# KiCad board m-blanc.kicad_pcb (continued)
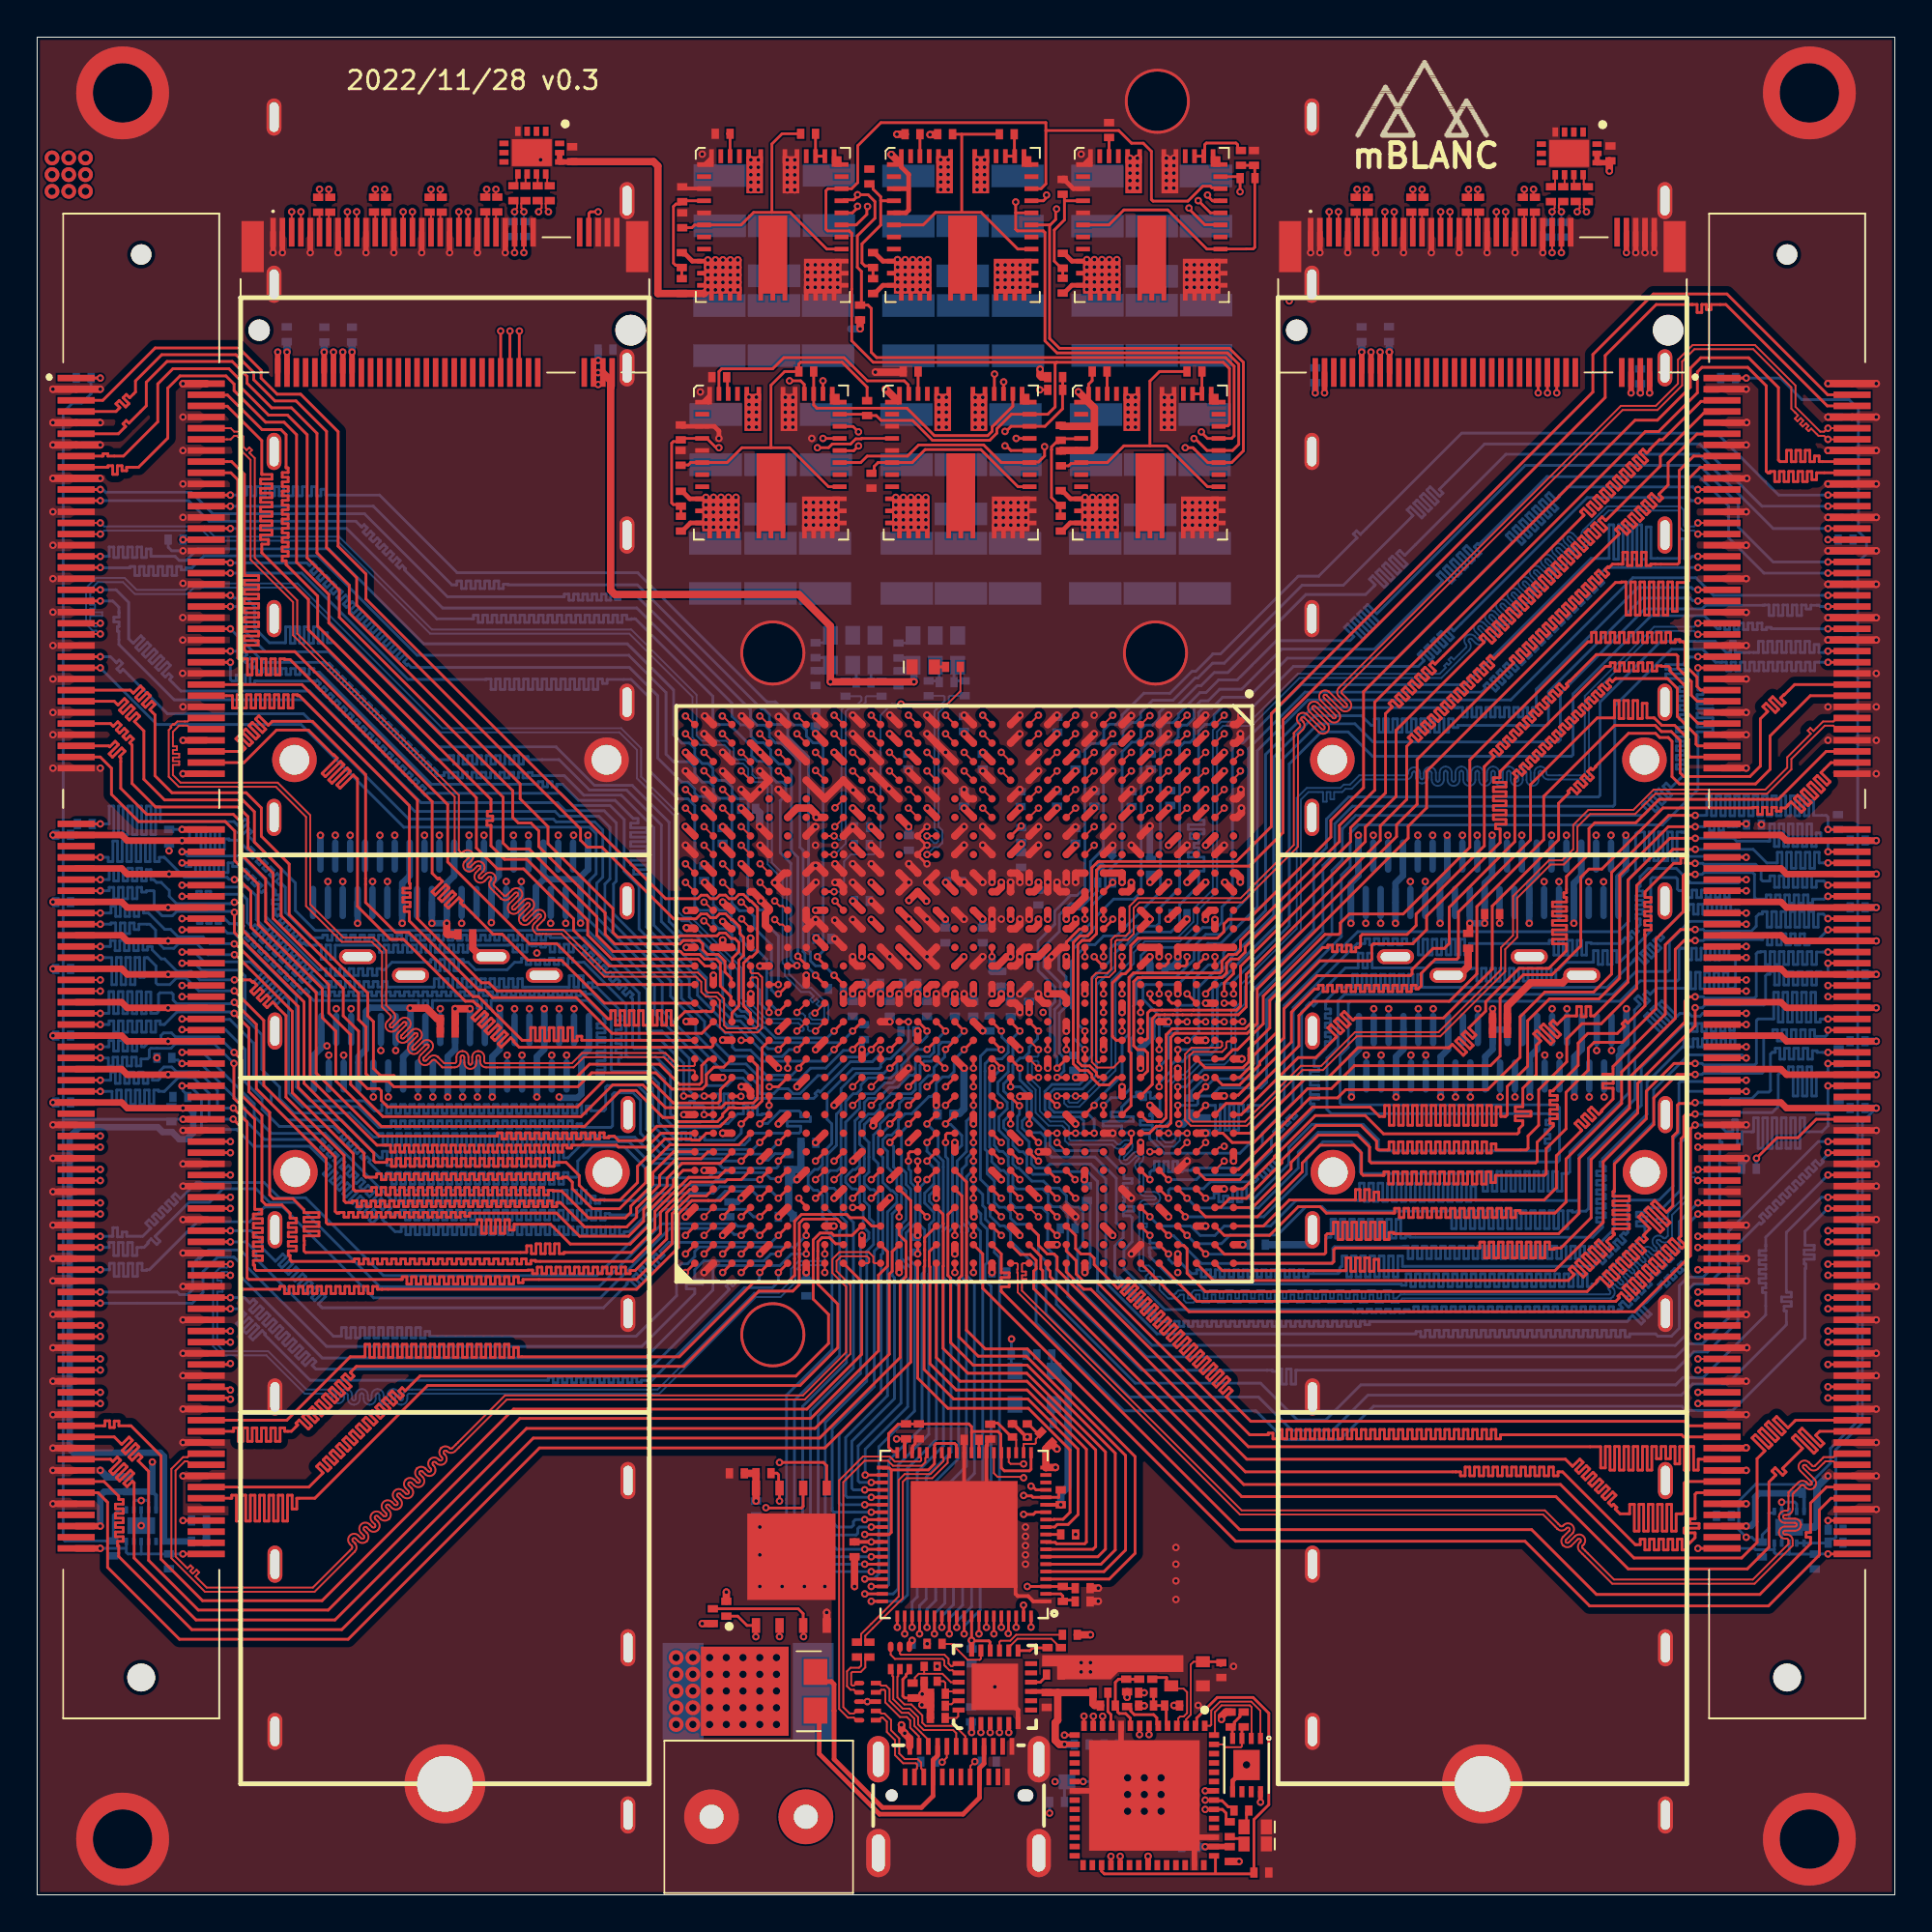
[diagram p0: board, top side]
## Footprints (pads in the part's own frame, mm; a bottom-side part is the same pattern mirrored in y, then rotated) (continued)
LED0603
  rect 0.6x0.8 smd: 1(-0.6,0) 2(0.6,0)
PCIE-M2-M
  round 1.15 hole 1.15 unplated: (-10,0)
  round 1.65 hole 1.65 unplated: (10,0)
  rect 0.3x1.55 smd: 1(-9.25,5.275) 2(-9,-2.275) 3(-8.75,5.275) 4(-8.5,-2.275) 5(-8.25,5.275) 6(-8,-2.275) 7(-7.75,5.275) 8(-7.5,-2.275) 9(-7.25,5.275) 10(-7,-2.275) 11(-6.75,5.275) 12(-6.5,-2.275) 13(-6.25,5.275) 14(-6,-2.275) 15(-5.75,5.275) 16(-5.5,-2.275) 17(-5.25,5.275) 18(-5,-2.275) 19(-4.75,5.275) 20(-4.5,-2.275) 21(-4.25,5.275) 22(-4,-2.275) 23(-3.75,5.275) 24(-3.5,-2.275) 25(-3.25,5.275) 26(-3,-2.275) 27(-2.75,5.275) 28(-2.5,-2.275) 29(-2.25,5.275) 30(-2,-2.275) 31(-1.75,5.275) 32(-1.5,-2.275) 33(-1.25,5.275) 34(-1,-2.275) 35(-0.75,5.275) 36(-0.5,-2.275) 37(-0.25,5.275) 38(0,-2.275) 39(0.25,5.275) 40(0.5,-2.275) 41(0.75,5.275) 42(1,-2.275) 43(1.25,5.275) 44(1.5,-2.275) 45(1.75,5.275) 46(2,-2.275) 47(2.25,5.275) 48(2.5,-2.275) 49(2.75,5.275) 50(3,-2.275) 51(3.25,5.275) 52(3.5,-2.275) 53(3.75,5.275) 54(4,-2.275) 55(4.25,5.275) 56(4.5,-2.275) 57(4.75,5.275) 58(5,-2.275) 67(7.25,5.275) 68(7.5,-2.275) 69(7.75,5.275) 70(8,-2.275) 71(8.25,5.275) 72(8.5,-2.275) 73(8.75,5.275) 74(9,-2.275) 75(9.25,5.275)
  oval 4.35x4.25 hole 3: MH3(0,-78.25)
  rect 1.2x2.75 smd: MP1(-10.35,4.5) MP2(10.35,4.5)
QFN45-MPM3695-10
  rect 0.75x0.25 smd: 1(-3.7,3.25) 2(-3.7,2.6) 3(-3.7,1.95) 4(-3.7,1.3) 5(-3.7,0.65) 6(-3.7,0) 7(-3.7,-0.65) 8(-3.7,-1.3) 9(-3.7,-1.95) 10(-3.7,-2.6) 11(-3.7,-3.25) 23(3.7,-3.25) 24(3.7,-2.6) 25(3.7,-1.95) 26(3.7,-1.3) 27(3.7,-0.65) 28(3.7,0) 29(3.7,0.65) 30(3.7,1.3) 31(3.7,1.95) 32(3.7,2.6) 33(3.7,3.25)
  rect 0.3x0.4 smd rot 135.1: 1(-3.461,3.407)
  rect 0.25x0.25 smd: 1(-3.3,3.25)
  rect 2.025x1.875 smd: 9(-2.688,-2.762) 19(2.688,-2.762)
  rect 0.25x0.75 smd: 12(-3.3,-3.7) 13(-2.8,-3.7) 14(-2.3,-3.7) 15(-1.8,-3.7) 16(-0.65,-3.7) 17(0,-3.7) 18(0.65,-3.7) 19(1.8,-3.7) 20(2.3,-3.7) 21(2.8,-3.7) 22(3.3,-3.7) 34(3.3,3.7) 35(2.8,3.7) 36(2.3,3.7) 37(1.8,3.7) 38(1.3,3.7) 39(0.65,3.7) 40(-0.65,3.7) 41(-1.3,3.7) 42(-1.8,3.7) 43(-2.3,3.7) 44(-2.8,3.7) 45(-3.3,3.7)
  rect 1.55x4.2 smd: 16(0,-1.6)
  rect 0.525x0.575 smd: 33(3.438,3.413)
  rect 0.9x2 smd: 38(0.975,2.7) 40(-0.975,2.7)
QFN45-MPM3695-10#2
  rect 0.75x0.25 smd: 1(-3.7,3.25) 2(-3.7,2.6) 3(-3.7,1.95) 4(-3.7,1.3) 5(-3.7,0.65) 6(-3.7,0) 7(-3.7,-0.65) 8(-3.7,-1.3) 9(-3.7,-1.95) 10(-3.7,-2.6) 11(-3.7,-3.25) 23(3.7,-3.25) 24(3.7,-2.6) 25(3.7,-1.95) 26(3.7,-1.3) 27(3.7,-0.65) 28(3.7,0) 29(3.7,0.65) 30(3.7,1.3) 31(3.7,1.95) 32(3.7,2.6) 33(3.7,3.25)
  rect 0.3x0.4 smd rot 135.1: 1(-3.461,3.407)
  rect 0.25x0.25 smd: 1(-3.3,3.25)
  rect 2.025x1.875 smd: 9(-2.688,-2.762) 19(2.688,-2.762)
  rect 0.25x0.75 smd: 12(-3.3,-3.7) 13(-2.8,-3.7) 14(-2.3,-3.7) 15(-1.8,-3.7) 16(-0.65,-3.7) 17(0,-3.7) 18(0.65,-3.7) 19(1.8,-3.7) 20(2.3,-3.7) 21(2.8,-3.7) 22(3.3,-3.7) 34(3.3,3.7) 35(2.8,3.7) 36(2.3,3.7) 37(1.8,3.7) 38(1.3,3.7) 39(0.65,3.7) 40(-0.65,3.7) 41(-1.3,3.7) 42(-1.8,3.7) 43(-2.3,3.7) 44(-2.8,3.7) 45(-3.3,3.7)
  rect 1.55x4.2 smd: 16(0,-1.6)
  rect 0.525x0.575 smd: 33(3.438,3.413)
  rect 0.9x2 smd: 38(0.975,2.7) 40(-0.975,2.7)
QFN50P250X320X90-15N
  rect 0.5x0.3 smd: 1(-1.15,0.75) 2(-1.15,0.25) 3(-1.15,-0.25) 4(-1.15,-0.75) 8(1.15,-0.75) 9(1.15,-0.25) 10(1.15,0.25) 11(1.15,0.75)
  rect 0.3x0.5 smd: 5(-0.5,-1.5) 6(0,-1.5) 7(0.5,-1.5) 12(0.5,1.5) 13(0,1.5) 14(-0.5,1.5)
  rect 1.45x2.15 smd: 15(0,0)
QFN50P800X800X100-57N-D
  rect 0.55x0.3 smd: 1(-3.75,3.25) 2(-3.75,2.75) 3(-3.75,2.25) 4(-3.75,1.75) 5(-3.75,1.25) 6(-3.75,0.75) 7(-3.75,0.25) 8(-3.75,-0.25) 9(-3.75,-0.75) 10(-3.75,-1.25) 11(-3.75,-1.75) 12(-3.75,-2.25) 13(-3.75,-2.75) 14(-3.75,-3.25) 29(3.75,-3.3) 30(3.75,-2.8) 31(3.75,-2.3) 32(3.75,-1.8) 33(3.75,-1.3) 34(3.75,-0.8) 35(3.75,-0.3) 36(3.75,0.2) 37(3.75,0.7) 38(3.75,1.2) 39(3.75,1.7) 40(3.75,2.2) 41(3.75,2.7) 42(3.75,3.2)
  rect 0.3x0.55 smd: 15(-3.25,-3.75) 16(-2.75,-3.75) 17(-2.25,-3.75) 18(-1.75,-3.75) 19(-1.25,-3.75) 20(-0.75,-3.75) 21(-0.25,-3.75) 22(0.25,-3.75) 23(0.75,-3.75) 24(1.25,-3.75) 25(1.75,-3.75) 26(2.25,-3.75) 27(2.75,-3.75) 28(3.25,-3.75) 43(3.25,3.75) 44(2.75,3.75) 45(2.25,3.75) 46(1.75,3.75) 47(1.25,3.75) 48(0.75,3.75) 49(0.25,3.75) 50(-0.25,3.75) 51(-0.75,3.75) 52(-1.25,3.75) 53(-1.75,3.75) 54(-2.25,3.75) 55(-2.75,3.75) 56(-3.25,3.75)
  rect 5.95x5.95 smd: 57(0,0)
QFN-MJ24
  rect 0.65x0.265 smd: 1(-1.95,1.25) 2(-1.95,0.75) 3(-1.95,0.25) 4(-1.95,-0.25) 5(-1.95,-0.75) 6(-1.95,-1.25) 13(1.95,-1.25) 14(1.95,-0.75) 15(1.95,-0.25) 16(1.95,0.25) 17(1.95,0.75) 18(1.95,1.25)
  rect 0.265x0.65 smd: 7(-1.25,-1.95) 8(-0.75,-1.95) 9(-0.25,-1.95) 10(0.25,-1.95) 11(0.75,-1.95) 12(1.25,-1.95) 19(1.25,1.95) 20(0.75,1.95) 21(0.25,1.95) 22(-0.25,1.95) 23(-0.75,1.95) 24(-1.25,1.95)
  rect 2.5x2.5 smd: 25(0,0)
SI2305TP
  rect 0.8x0.9 smd: 1(-0.95,-1) 2(0.95,-1) 3(0,1)
SMD0402
  rect 0.4x0.55 smd: 1(-0.4,0) 2(0.4,0)
SON40P200X200X80-11N
  rrect 0.4x0.2 smd: 1(-0.85,0.8) 2(-0.85,0.4) 3(-0.85,0) 4(-0.85,-0.4) 5(-0.85,-0.8) 6(0.85,-0.8) 7(0.85,-0.4) 8(0.85,0) 9(0.85,0.4) 10(0.85,0.8)
  rect 0.9x1.5 smd: 11(0,0)
SON50P135X260X55-10N-D
  rect 0.55x0.25 smd: 1(-0.45,1) 2(-0.45,0.5) 3(-0.45,0) 4(-0.45,-0.5) 5(-0.45,-1)
  oval 0.55x0.25 smd: 6(0.45,-1) 7(0.45,-0.5) 8(0.45,0) 9(0.45,0.5) 10(0.45,1)
SON50P150X170X55-6N-D
  rect 0.55x0.3 smd: 1(-0.6,0.5) 2(-0.6,0) 3(-0.6,-0.5)
  oval 0.55x0.3 smd: 4(0.6,-0.5) 5(0.6,0) 6(0.6,0.5)
SON127P800X600X80-9N-D
  rect 0.8x0.45 smd: 1(-3.7,1.905) 2(-3.7,0.635) 3(-3.7,-0.635) 4(-3.7,-1.905) 5(3.7,-1.905) 6(3.7,-0.635) 7(3.7,0.635) 8(3.7,1.905)
  rect 4.65x4.75 smd: 4(0,0)
TB00650802BE
  round 2.95 hole 1.3: 1(0,0) 2(5.08,0)
V10P20M386A
  rect 1.4x1.27 smd: 1(1.04,-2.765) 2(-1.04,-2.765)
  rect 4.8x4.72 smd: 3(0,1.04)

## Nets
1.0V: C36.1 C37.1 C38.1 C39.1 C40.1 C77.1 C78.1 C79.1 C80.1 C109.2 C110.2 C111.2 C112.2 C113.2 C114.2 C115.2 C116.2 C117.2 C118.2 C119.2 C120.2 C121.2 C122.2 C123.2 C124.2 C125.2 C126.2 C127.2 C128.2 R35.2 U1.AA6 U1.AA11 U1.AA13 U1.AA15 U1.AC6 U1.AE6 U1.AG6 U1.AH7 U1.AH11 U1.AK11 U1.B11 U1.D7 U1.D11 U1.E6 U1.G6 U1.J6 U1.K12 U1.K14 U1.K16 U1.L6 U1.L11 U1.L13 U1.L15 U1.M10 U1.M12 U1.M14 U1.N6 U1.N11 U1.N13 U1.N15 U1.P10 U1.P14 U1.R6 U1.R11 U1.R15 U1.T10 U1.T14 U1.U6 U1.U11 U1.U15 U1.V10 U1.V12 U1.V14 U1.W6 U1.W11 U1.W13 U1.W15 U1.Y10 U1.Y12 U1.Y14 VR1.9 VR1.10 VR1.11 VR1.12 VR1.13 VR1.14 VR1.15 VR2.9 VR2.10 VR2.11 VR2.12 VR2.13 VR2.14 VR2.15
1.2V: C47.1 C48.1 C49.1 C50.1 C51.1 C129.2 C130.2 C131.2 C132.2 C133.2 C134.2 C135.2 C136.2 C137.2 C138.2 R42.2 R65.2 U1.AB3 U1.AC2 U1.AF3 U1.AG2 U1.AG9 U1.AJ6 U1.AJ9 U1.AK3 U1.AK7 U1.B3 U1.B7 U1.C2 U1.C6 U1.C9 U1.E9 U1.F3 U1.G2 U1.K3 U1.L2 U1.N8 U1.P3 U1.R2 U1.V3 U1.W2 VR3.9 VR3.10 VR3.11 VR3.12 VR3.13 VR3.14 VR3.15
1.8V: C63.1 C64.1 C65.1 C66.1 C67.1 C149.2 C150.2 C151.2 C152.2 C153.2 C179.2 C180.2 FB1.2 R50.2 U1.AA8 U1.K8 U1.M16 U1.P16 U1.T16 U1.V16 U1.Y7 U1.Y16 VR5.9 VR5.10 VR5.11 VR5.12 VR5.13 VR5.14 VR5.15
1.35V: C30.1 C32.1 C55.1 C56.1 C57.1 C58.1 C59.1 C139.2 C140.2 C141.2 C142.2 C143.2 C144.2 C145.2 C146.2 C147.2 C148.2 C191.2 C192.2 C193.2 C194.2 C195.2 C196.2 C197.2 C198.2 C199.2 C200.2 DIMM1.75 DIMM1.76 DIMM1.81 DIMM1.82 DIMM1.87 DIMM1.88 DIMM1.93 DIMM1.94 DIMM1.99 DIMM1.100 DIMM1.105 DIMM1.106 DIMM1.111 DIMM1.112 DIMM1.117 DIMM1.118 DIMM1.123 DIMM1.124 DIMM2.75 DIMM2.76 DIMM2.81 DIMM2.82 DIMM2.87 DIMM2.88 DIMM2.93 DIMM2.94 DIMM2.99 DIMM2.100 DIMM2.105 DIMM2.106 DIMM2.111 DIMM2.112 DIMM2.117 DIMM2.118 DIMM2.123 DIMM2.124 R46.2 U1.A19 U1.A29 U1.AA19 U1.AA29 U1.AB16 U1.AB26 U1.AC23 U1.AD20 U1.AD30 U1.AE17 U1.AE27 U1.AF14 U1.AF24 U1.AG21 U1.AH18 U1.AH28 U1.AJ15 U1.AJ25 U1.AK22 U1.B26 U1.C23 U1.D20 U1.D30 U1.E27 U1.F24 U1.G21 U1.H18 U1.H28 U1.J25 U1.K22 U1.L19 U1.L29 U1.M26 U1.N23 U1.P20 U1.P30 U1.W25 U1.Y22 U7.1 U7.2 U8.1 U8.2 VR4.9 VR4.10 VR4.11 VR4.12 VR4.13 VR4.14 VR4.15
3.3V: C3.2 C10.2 C15.1 C31.1 C33.1 C71.1 C72.1 C73.1 C74.1 C75.1 C83.1 C89.2 C90.2 C154.2 C155.2 C156.2 C157.2 C158.2 C159.2 C160.2 C161.2 C162.2 C163.2 C164.2 C165.2 C166.2 C167.2 C168.2 C169.2 C170.2 C171.2 C175.1 C176.1 C181.2 C182.2 C183.2 C184.2 C185.2 C186.2 C187.2 C188.2 C189.2 C190.2 DIMM1.199 DIMM2.199 FB2.2 FB3.2 FB4.1 K1.12 K1.13 K2.12 K2.13 M.2 #1.2 M.2 #1.4 M.2 #1.12 M.2 #1.14 M.2 #1.16 M.2 #1.18 M.2 #1.70 M.2 #1.72 M.2 #1.74 M.2 #2.2 M.2 #2.4 M.2 #2.12 M.2 #2.14 M.2 #2.16 M.2 #2.18 M.2 #2.70 M.2 #2.72 M.2 #2.74 QSFP+ #1.10 QSFP+ #1.29 QSFP+ #1.30 QSFP+ #2.10 QSFP+ #2.29 QSFP+ #2.30 QSFP+ #3.10 QSFP+ #3.29 QSFP+ #3.30 QSFP+ #4.10 QSFP+ #4.29 QSFP+ #4.30 R2.2 R3.1 R6.1 R9.2 R10.1 R13.1 R15.2 R16.2 R17.2 R18.2 R19.2 R20.2 R54.2 R58.1 R62.1 R63.2 R66.1 R76.2 U1.AC11 U1.AC13 U1.B16 U1.E17 U1.F14 U1.J10 U1.J15 U1.K11 U1.R17 U1.R27 U1.T24 U1.U21 U1.V18 U1.V28 U2.1 U2.9 U2.16 U2.18 U3.16 U3.36 U3.44 U3.50 U4.14 U4.37 U4.49 U4.59 U4.68 U5.8 U6.8 U7.10 U8.10 VR6.9 VR6.10 VR6.11 VR6.12 VR6.13 VR6.14 VR6.15 Y1.4 Y2.6 Y3.6
GND: C1.1 C2.1 C3.1 C4.1 C5.1 C6.1 C7.1 C8.1 C9.1 C10.1 C11.1 C12.2 C13.2 C14.1 C15.2 C16.1 C17.2 C18.2 C19.2 C20.2 C21.1 C22.1 C23.1 C24.1 C25.1 C26.2 C27.2 C28.1 C29.1 C30.2 C31.2 C32.2 C33.2 C34.1 C35.1 C37.2 C38.2 C39.2 C40.2 C41.1 C42.1 C43.1 C44.1 C45.1 C46.1 C48.2 C49.2 C50.2 C51.2 C52.1 C53.1 C54.1 C56.2 C57.2 C58.2 C59.2 C60.1 C61.1 C62.1 C64.2 C65.2 C66.2 C67.2 C68.1 C69.1 C70.1 C72.2 C73.2 C74.2 C75.2 C76.1 C77.2 C78.2 C79.2 C80.2 C83.2 C84.1 C89.1 C90.1 C109.1 C110.1 C111.1 C112.1 C113.1 C114.1 C115.1 C116.1 C117.1 C118.1 C119.1 C120.1 C121.1 C122.1 C123.1 C124.1 C125.1 C126.1 C127.1 C128.1 C129.1 C130.1 C131.1 C132.1 C133.1 C134.1 C135.1 C136.1 C137.1 C138.1 C139.1 C140.1 C141.1 C142.1 C143.1 C144.1 C145.1 C146.1 C147.1 C148.1 C149.1 C150.1 C151.1 C152.1 C153.1 C154.1 C155.1 C156.1 C157.1 C158.1 C159.1 C160.1 C161.1 C162.1 C163.1 C164.1 C165.1 C166.1 C167.1 C168.1 C169.1 C170.1 C171.1 C172.1 C173.1 C174.1 C175.2 C176.2 C179.1 C180.1 C181.1 C182.1 C183.1 C184.1 C185.1 C186.1 C187.1 C188.1 C189.1 C190.1 C191.1 C192.1 C193.1 C194.1 C195.1 C196.1 C197.1 C198.1 C199.1 C200.1 CON1.A1 CON1.A12 CON1.B1 CON1.B12 CON1.S DIMM1.2 DIMM1.3 DIMM1.8 DIMM1.9 DIMM1.13 DIMM1.14 DIMM1.19 DIMM1.20 DIMM1.25 DIMM1.26 DIMM1.31 DIMM1.32 DIMM1.37 DIMM1.38 DIMM1.43 DIMM1.44 DIMM1.48 DIMM1.49 DIMM1.54 DIMM1.55 DIMM1.60 DIMM1.61 DIMM1.65 DIMM1.66 DIMM1.71 DIMM1.72 DIMM1.127 DIMM1.128 DIMM1.133 DIMM1.134 DIMM1.138 DIMM1.139 DIMM1.144 DIMM1.145 DIMM1.150 DIMM1.151 DIMM1.155 DIMM1.156 DIMM1.161 DIMM1.162 DIMM1.167 DIMM1.168 DIMM1.172 DIMM1.173 DIMM1.178 DIMM1.179 DIMM1.184 DIMM1.185 DIMM1.189 DIMM1.190 DIMM1.195 DIMM1.196 DIMM2.2 DIMM2.3 DIMM2.8 DIMM2.9 DIMM2.13 DIMM2.14 DIMM2.19 DIMM2.20 DIMM2.25 DIMM2.26 DIMM2.31 DIMM2.32 DIMM2.37 DIMM2.38 DIMM2.43 DIMM2.44 DIMM2.48 DIMM2.49 DIMM2.54 DIMM2.55 DIMM2.60 DIMM2.61 DIMM2.65 DIMM2.66 DIMM2.71 DIMM2.72 DIMM2.127 DIMM2.128 DIMM2.133 DIMM2.134 DIMM2.138 DIMM2.139 DIMM2.144 DIMM2.145 DIMM2.150 DIMM2.151 DIMM2.155 DIMM2.156 DIMM2.161 DIMM2.162 DIMM2.167 DIMM2.168 DIMM2.172 DIMM2.173 DIMM2.178 DIMM2.179 DIMM2.184 DIMM2.185 DIMM2.189 DIMM2.190 DIMM2.195 DIMM2.196 DS1.2 DS2.2 DS3.2 FL1.3 FL1.8 FL2.3 FL2.4 J1.1 K1.4 K1.15 K2.4 K2.15 M.2 #1.1 M.2 #1.3 M.2 #1.9 M.2 #1.15 M.2 #1.21 M.2 #1.27 M.2 #1.33 M.2 #1.39 M.2 #1.45 M.2 #1.51 M.2 #1.57 M.2 #1.71 M.2 #1.73 M.2 #1.75 M.2 #1.MH3 M.2 #1.MP1 M.2 #1.MP2 M.2 #2.1 M.2 #2.3 M.2 #2.9 M.2 #2.15 M.2 #2.21 M.2 #2.27 M.2 #2.33 M.2 #2.39 M.2 #2.45 M.2 #2.51 M.2 #2.57 M.2 #2.71 M.2 #2.73 M.2 #2.75 M.2 #2.MH3 M.2 #2.MP1 M.2 #2.MP2 Q1.2 QSFP+ #1.1 QSFP+ #1.4 QSFP+ #1.7 QSFP+ #1.13 QSFP+ #1.16 QSFP+ #1.19 QSFP+ #1.20 QSFP+ #1.23 QSFP+ #1.26 QSFP+ #1.32 QSFP+ #1.35 QSFP+ #1.38 QSFP+ #1.MH1 QSFP+ #1.MH2 QSFP+ #1.MH3 QSFP+ #1.MH4 QSFP+ #1.MH5 QSFP+ #1.MH6 QSFP+ #1.MH7 QSFP+ #1.MH8 QSFP+ #1.MH9 QSFP+ #1.MH10 QSFP+ #1.MH11 QSFP+ #1.MH12 QSFP+ #1.MH13 QSFP+ #1.MH14 QSFP+ #2.1 QSFP+ #2.4 QSFP+ #2.7 QSFP+ #2.13 QSFP+ #2.16 QSFP+ #2.19 QSFP+ #2.20 QSFP+ #2.23 QSFP+ #2.26 QSFP+ #2.32 QSFP+ #2.35 QSFP+ #2.38 QSFP+ #2.MH1 QSFP+ #2.MH2 QSFP+ #2.MH3 QSFP+ #2.MH4 QSFP+ #2.MH5 QSFP+ #2.MH6 QSFP+ #2.MH7 QSFP+ #2.MH8 QSFP+ #2.MH9 QSFP+ #2.MH10 QSFP+ #2.MH11 QSFP+ #2.MH12 QSFP+ #2.MH13 QSFP+ #2.MH14 QSFP+ #3.1 QSFP+ #3.4 QSFP+ #3.7 QSFP+ #3.13 QSFP+ #3.16 QSFP+ #3.19 QSFP+ #3.20 QSFP+ #3.23 QSFP+ #3.26 QSFP+ #3.32 QSFP+ #3.35 QSFP+ #3.38 QSFP+ #3.MH1 QSFP+ #3.MH2 QSFP+ #3.MH3 QSFP+ #3.MH4 QSFP+ #3.MH5 QSFP+ #3.MH6 QSFP+ #3.MH7 QSFP+ #3.MH8 QSFP+ #3.MH9 QSFP+ #3.MH10 QSFP+ #3.MH11 QSFP+ #3.MH12 QSFP+ #3.MH13 QSFP+ #3.MH14 QSFP+ #4.1 QSFP+ #4.4 QSFP+ #4.7 QSFP+ #4.13 QSFP+ #4.16 QSFP+ #4.19 QSFP+ #4.20 QSFP+ #4.23 QSFP+ #4.26 QSFP+ #4.32 QSFP+ #4.35 QSFP+ #4.38 QSFP+ #4.MH1 QSFP+ #4.MH2 QSFP+ #4.MH3 QSFP+ #4.MH4 QSFP+ #4.MH5 QSFP+ #4.MH6 QSFP+ #4.MH7 QSFP+ #4.MH8 QSFP+ #4.MH9 QSFP+ #4.MH10 QSFP+ #4.MH11 QSFP+ #4.MH12 QSFP+ #4.MH13 QSFP+ #4.MH14 R5.2 R7.1 R11.2 R12.2 R14.1 R22.2 R23.2 R24.2 R25.2 R26.2 R27.2 R28.2 R29.2 R30.2 R31.2 R32.2 R33.2 R36.2 R38.2 R40.2 R43.2 R44.2 R47.2 R48.2 R51.2 R52.2 R55.2 R56.2 R59.2 R60.1 R61.1 R69.1 R70.1 R73.1 R74.1 R75.2 U1.A1 U1.A2 U1.A5 U1.A6 U1.A9 U1.A10 U1.A13 U1.A24 U1.AA1 U1.AA2 U1.AA5 U1.AA7 U1.AA9 U1.AA10 U1.AA12 U1.AA14 U1.AA16 U1.AA24 U1.AB4 U1.AB7 U1.AB8 U1.AB9 U1.AB10 U1.AB12 U1.AB13 U1.AB21 U1.AC1 U1.AC5 U1.AC9 U1.AC12 U1.AC18 U1.AC28 U1.AD3 U1.AD4 U1.AD7 U1.AD8 U1.AD9 U1.AD10 U1.AD11 U1.AD12 U1.AD13 U1.AD15 U1.AD25 U1.AE1 U1.AE2 U1.AE5 U1.AE9 U1.AE10 U1.AE13 U1.AE22 U1.AF4 U1.AF7 U1.AF8 U1.AF11 U1.AF12 U1.AF13 U1.AF19 U1.AF29 U1.AG1 U1.AG5 U1.AG10 U1.AG13 U1.AG16 U1.AG26 U1.AH3 U1.AH4 U1.AH8 U1.AH12 U1.AH13 U1.AH23 U1.AJ1 U1.AJ2 U1.AJ5 U1.AJ10 U1.AJ13 U1.AJ20 U1.AJ30 U1.AK4 U1.AK8 U1.AK12 U1.AK13 U1.AK17 U1.AK27 U1.B4 U1.B8 U1.B12 U1.B13 U1.B21 U1.C1 U1.C5 U1.C10 U1.C13 U1.C18 U1.C28 U1.D3 U1.D4 U1.D8 U1.D12 U1.D13 U1.D15 U1.D25 U1.E1 U1.E2 U1.E5 U1.E10 U1.E13 U1.E22 U1.F4 U1.F7 U1.F8 U1.F11 U1.F12 U1.F13 U1.F19 U1.F29 U1.G1 U1.G5 U1.G9 U1.G10 U1.G11 U1.G12 U1.G16 U1.G26 U1.H3 U1.H4 U1.H7 U1.H8 U1.H9 U1.H23 U1.J1 U1.J2 U1.J5 U1.J9 U1.J12 U1.J20 U1.J30 U1.K4 U1.K7 U1.K9 U1.K10 U1.K13 U1.K15 U1.K17 U1.K27 U1.L1 U1.L5 U1.L9 U1.L10 U1.L12 U1.L14 U1.L16 U1.L24 U1.M3 U1.M4 U1.M7 U1.M8 U1.M9 U1.M11 U1.M13 U1.M15 U1.M21 U1.N1 U1.N2 U1.N5 U1.N9 U1.N10 U1.N12 U1.N14 U1.N16 U1.N18 U1.N28 U1.P4 U1.P7 U1.P8 U1.P9 U1.P11 U1.P12 U1.P15 U1.P25 U1.R1 U1.R5 U1.R9 U1.R10 U1.R14 U1.R16 U1.R22 U1.T3 U1.T4 U1.T7 U1.T8 U1.T9 U1.T11 U1.T15 U1.T19 U1.T29 U1.U1 U1.U2 U1.U5 U1.U9 U1.U10 U1.U12 U1.U13 U1.U14 U1.U16 U1.U26 U1.V4 U1.V7 U1.V8 U1.V9 U1.V11 U1.V13 U1.V15 U1.V23 U1.W1 U1.W5 U1.W9 U1.W10 U1.W12 U1.W14 U1.W16 U1.W20 U1.W30 U1.Y3 U1.Y4 U1.Y8 U1.Y9 U1.Y11 U1.Y13 U1.Y15 U1.Y17 U1.Y27 U2.6 U2.25 U3.10 U3.21 U3.41 U3.45 U3.57 U4.1 U4.19 U4.26 U4.29 U4.36 U4.77 U5.5 U5.9 U6.4 U7.4 U7.8 U7.11 U8.4 U8.8 U8.11 VR1.1 VR1.3 VR1.5 VR1.19 VR1.20 VR1.21 VR1.22 VR1.23 VR1.24 VR1.25 VR1.38 VR1.39 VR1.45 VR2.1 VR2.3 VR2.5 VR2.19 VR2.20 VR2.21 VR2.22 VR2.23 VR2.24 VR2.25 VR2.38 VR2.39 VR2.45 VR3.1 VR3.3 VR3.5 VR3.19 VR3.20 VR3.21 VR3.22 VR3.23 VR3.24 VR3.25 VR3.38 VR3.39 VR3.45 VR4.1 VR4.3 VR4.5 VR4.19 VR4.20 VR4.21 VR4.22 VR4.23 VR4.24 VR4.25 VR4.38 VR4.39 VR4.45 VR5.1 VR5.3 VR5.5 VR5.19 VR5.20 VR5.21 VR5.22 VR5.23 VR5.24 VR5.25 VR5.38 VR5.39 VR5.45 VR6.1 VR6.3 VR6.5 VR6.19 VR6.20 VR6.21 VR6.22 VR6.23 VR6.24 VR6.25 VR6.38 VR6.39 VR6.45 X1.2 X1.4 X2.2 X2.4 X3.2 X3.4 Y1.2 Y2.3 Y3.3
VIN: C34.2 C35.2 C42.2 C43.2 C45.2 C46.2 C53.2 C54.2 C61.2 C62.2 C69.2 C70.2 D1.3 D2.1 R39.2 VR1.40 VR1.41 VR2.40 VR2.41 VR3.40 VR3.41 VR4.40 VR4.41 VR5.40 VR5.41 VR6.40 VR6.41
D1_N: U2.2 U3.7
D1_P: U2.3 U3.8
D2_N: U2.4 U4.25
D2_P: U2.5 U4.23
D_N: FL2.5 U2.19
D_P: FL2.6 U2.20
DRAM1_A0: DIMM1.98 U1.AG24
DRAM1_A1: DIMM1.97 U1.AH24
DRAM1_A2: DIMM1.96 U1.AE23
DRAM1_A3: DIMM1.95 U1.AJ24
DRAM1_A4: DIMM1.92 U1.AF23
DRAM1_A5: DIMM1.91 U1.AK24
